# Altium PCB PA_8CH_CTRL.PcbDoc (part 1 of 10)
Units mm, origin at the board's own origin, x right, y up, seen from the top; angles counter-clockwise.
Board outline 390 x 110 mm, 4 copper layers (Component Side, Signal Layer 1, Power Plane, Solder Side), stack 1.604 mm thick; 833 components, 525 nets, 2536 pads, 1881 vias.
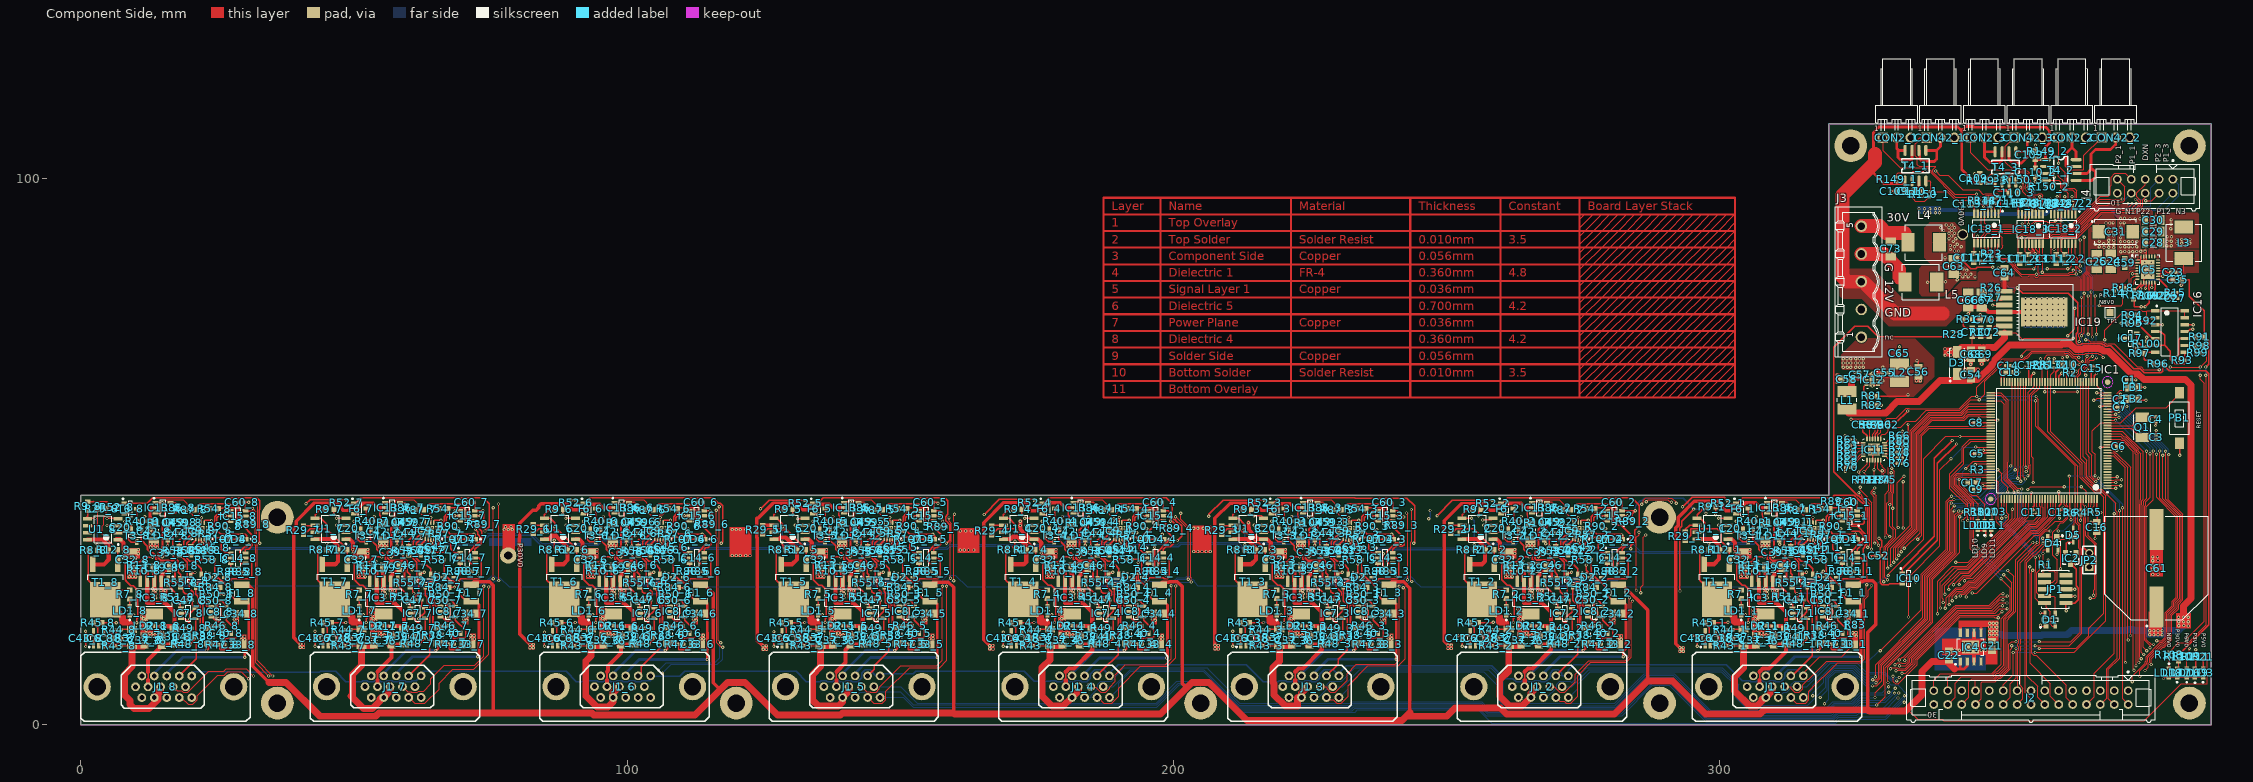
[diagram p0: Component Side view]
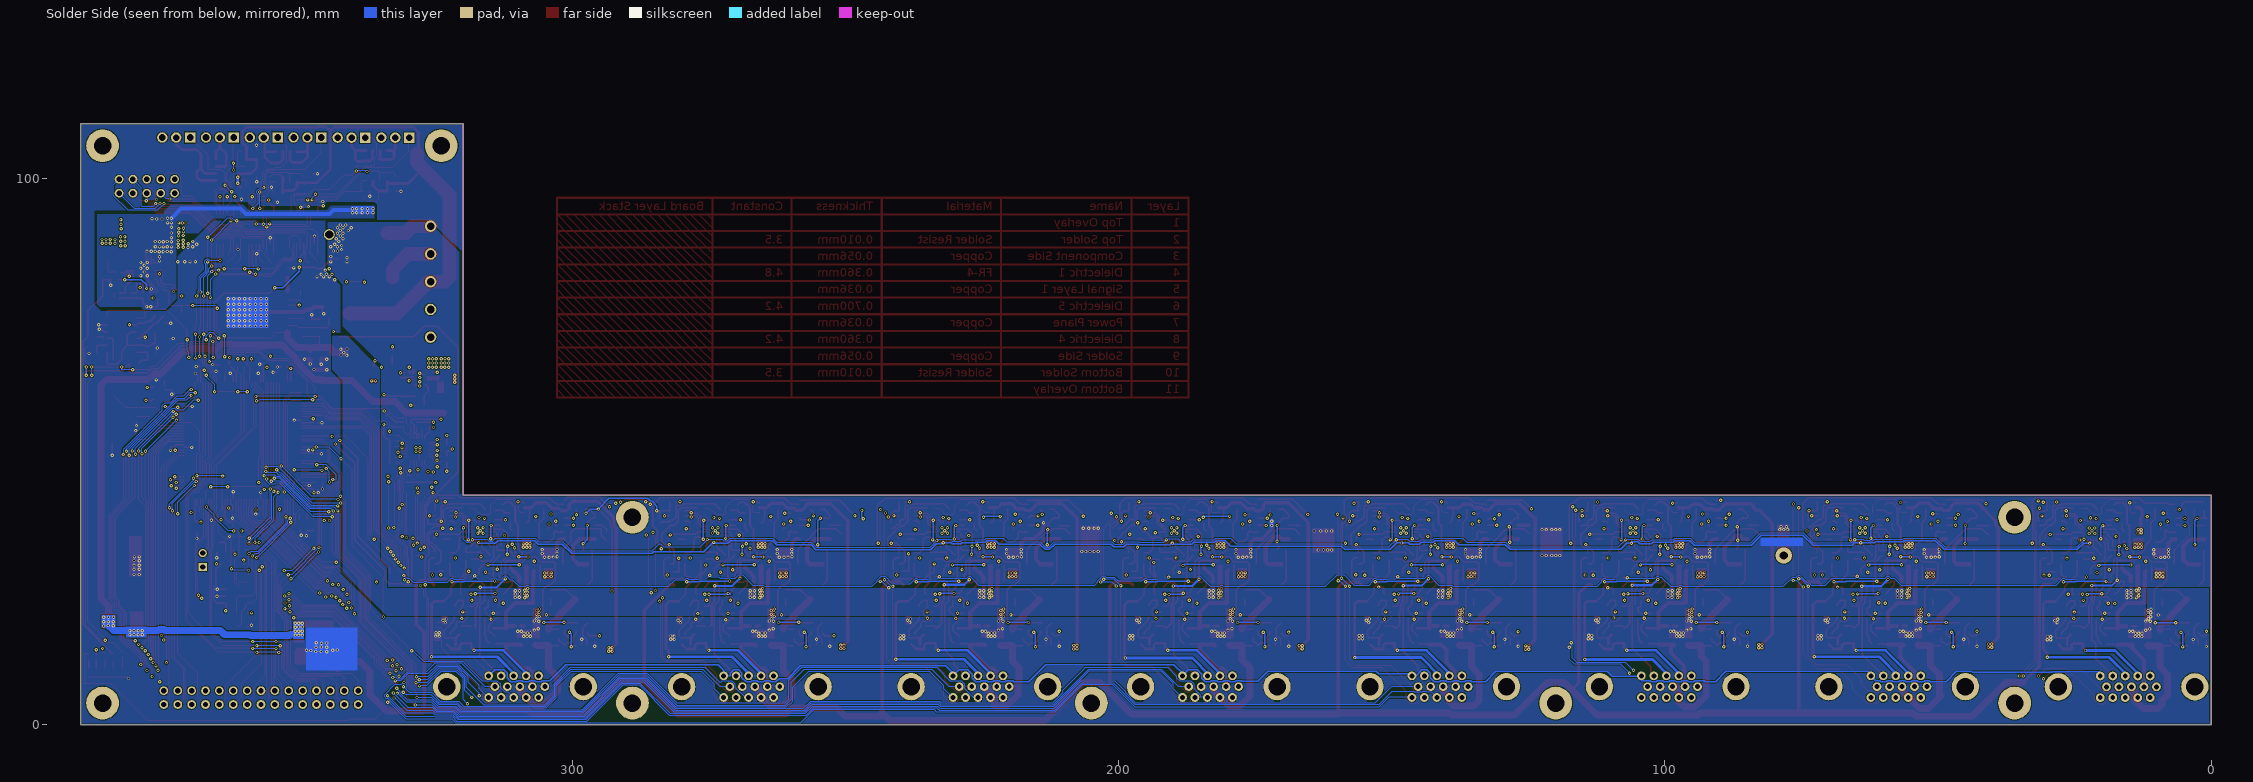
[diagram p1: Solder Side view, seen from below]
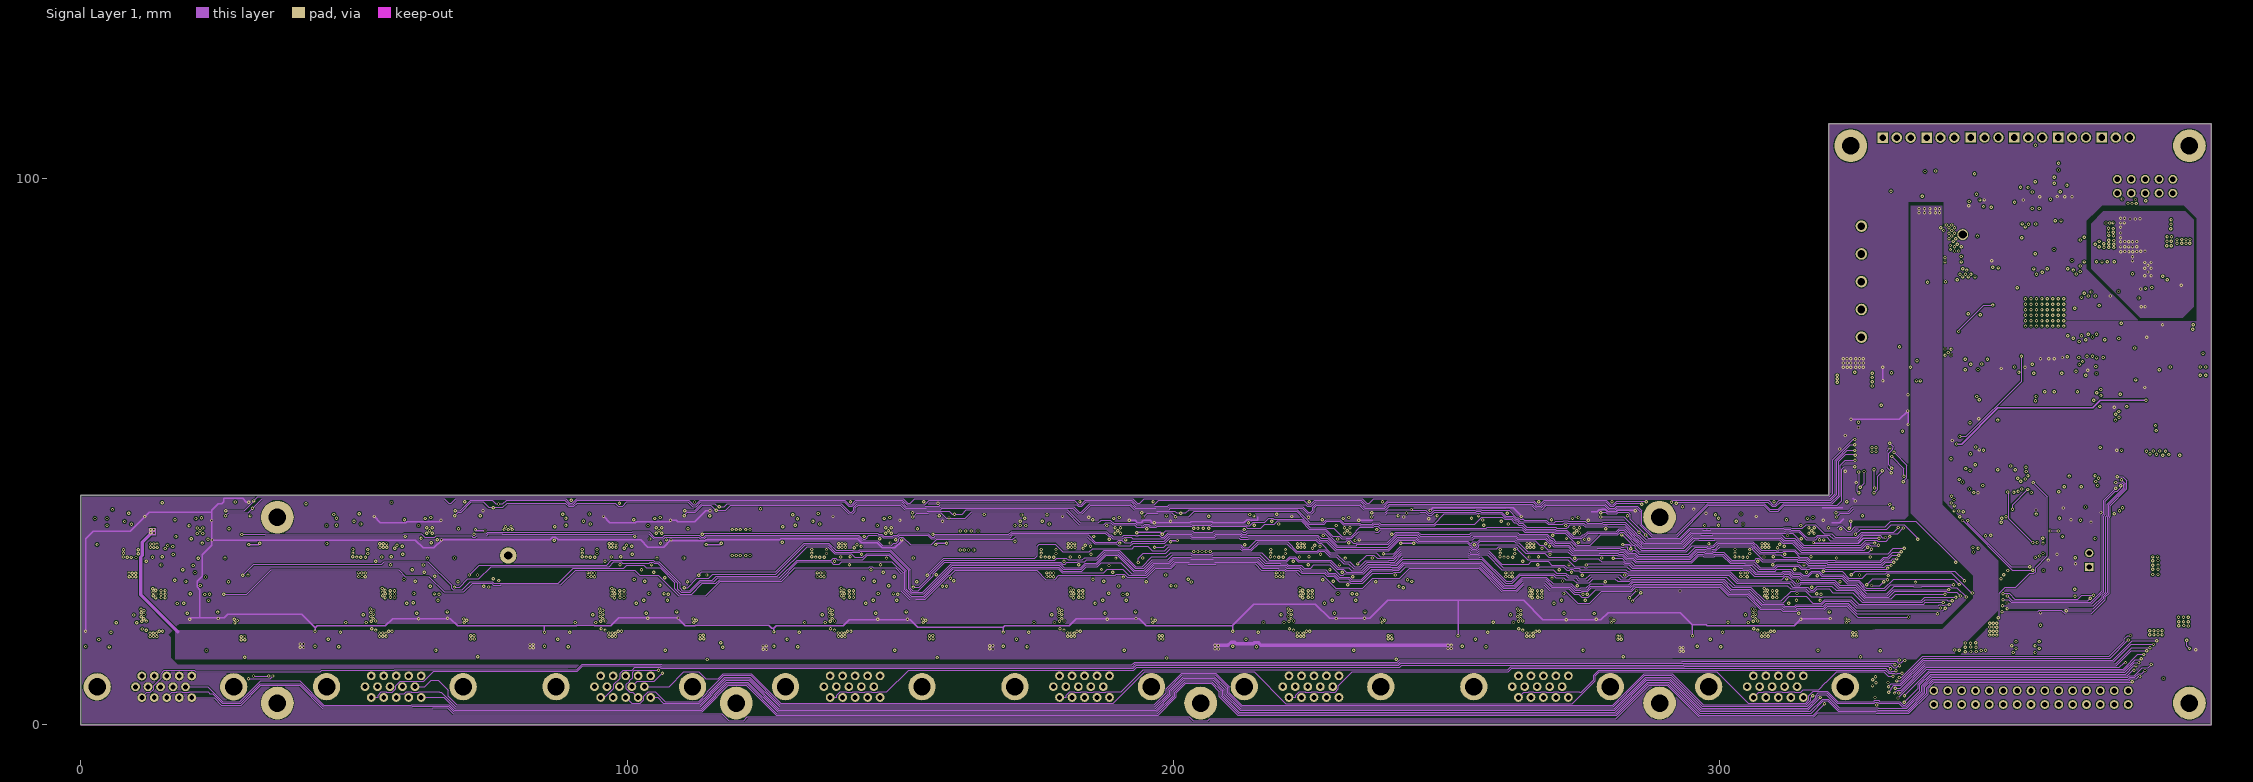
[diagram p2: Signal Layer 1]
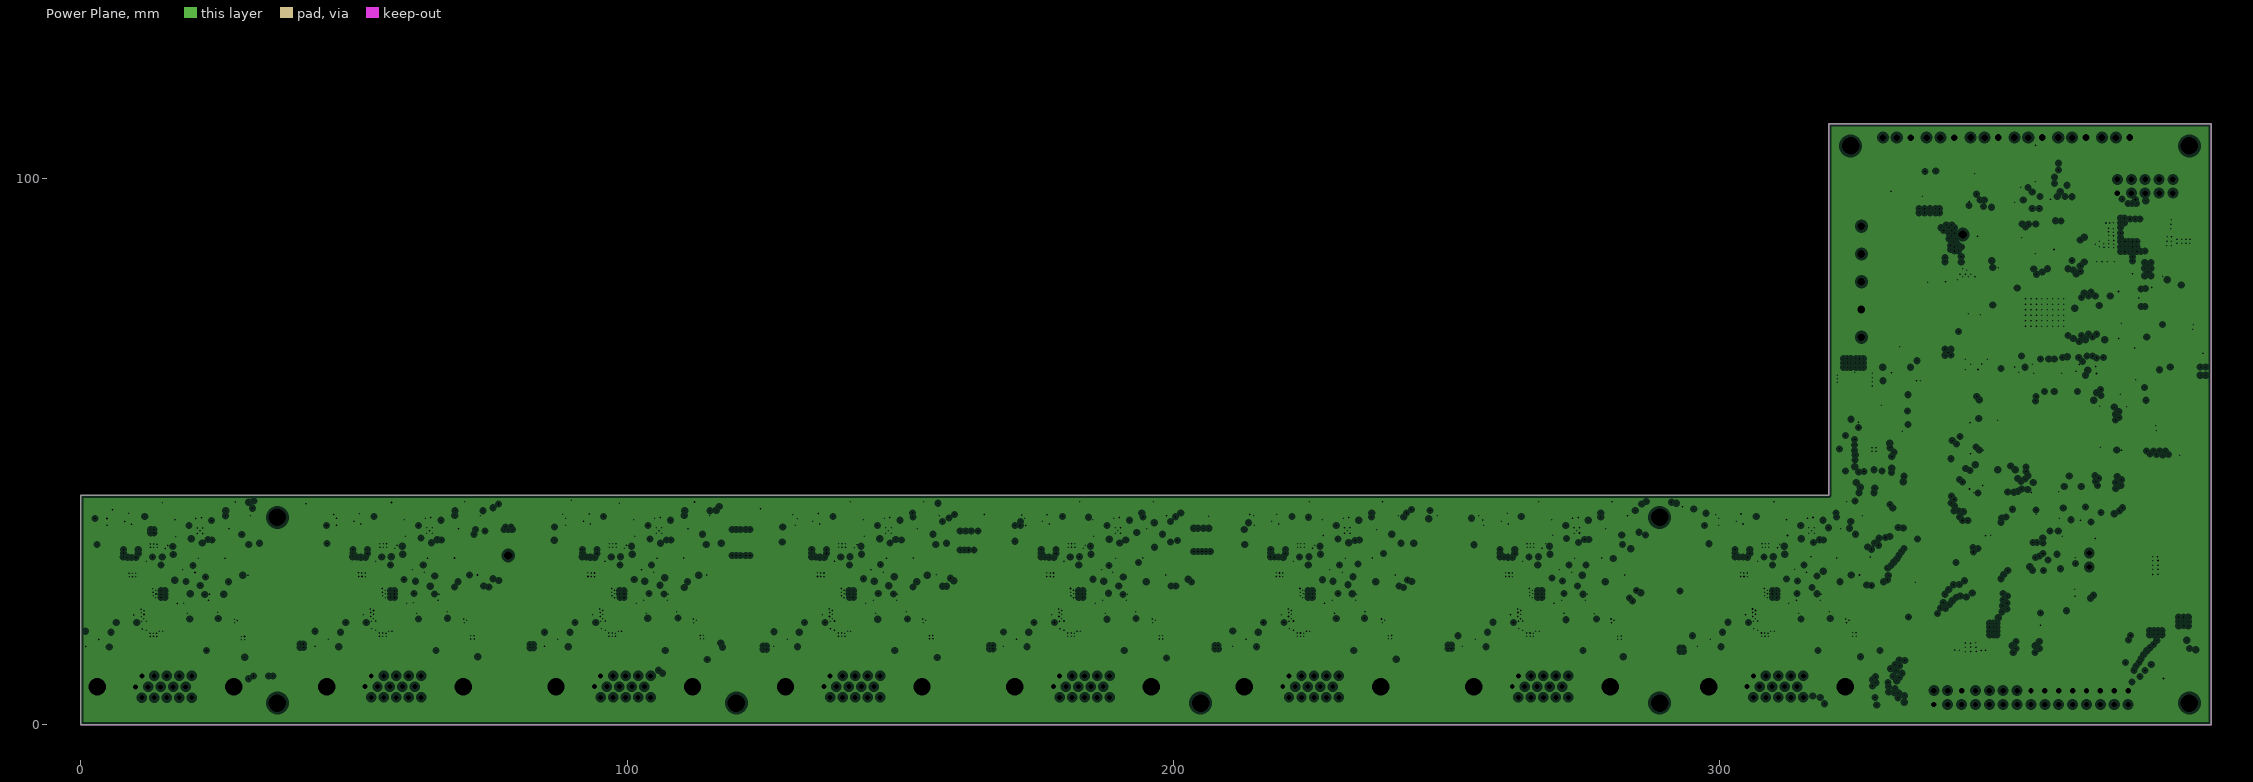
[diagram p3: Power Plane, clearances drawn from the general rule]
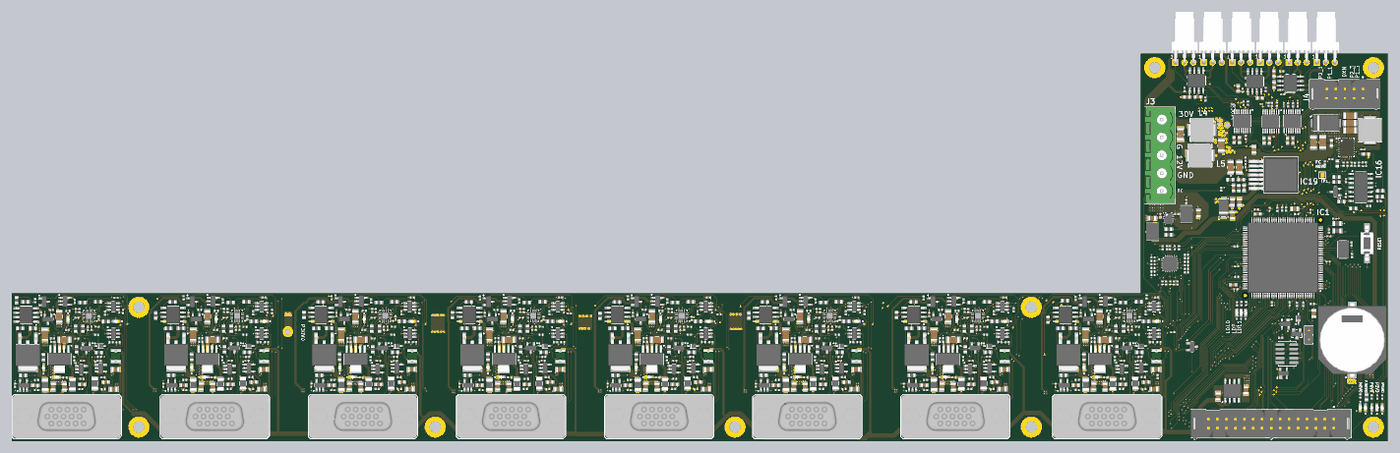
[diagram p13: 3D render of the assembled board from above, using the file's embedded part models]

## Layer stack, top to bottom
Top Solder: solder mask 0.01, Solder Resist, Dk 3.5
Component Side: signal copper 0.056
Dielectric 1: core 0.36, FR-4, Dk 4.8
Signal Layer 1: signal copper 0.036
Dielectric 5: prepreg 0.7, Dk 4.2
Power Plane: plane copper 0.036, net GND
Dielectric 4: core 0.36, Dk 4.2
Solder Side: signal copper 0.056
Bottom Solder: solder mask 0.0102, Solder Resist, Dk 3.5

## Board outline
0,0 0,42 320,42 320,110 390,110 390,0

## Design rules (kind name [scope] priority, off if disabled: settings)
Clearance [All] p1: gap=0.152 except(0.203: Track-Poly; 0.254: Poly-Poly)
HoleSize [All] p1: absolutevalues=TRUE maxlimit=5.08 minlimit=0.025 maxpercent=80.000 minpercent=20.000
HoleToHoleClearance [All] p1: gap=0.1 allowstackedmicrovias=TRUE
MinimumSolderMaskSliver [All] p1: minsoldermaskwidth=0.025
PlaneClearance [All] p1: clearance=0.508
PlaneConnect [All] p1: planeconnectstyle=Direct reliefexpansion=0.508 reliefentries=4 reliefconductorwidth=0.254 reliefairgap=0.254
PlaneConnect PlaneConnect_pad [IsPad] p2: planeconnectstyle=Relief reliefexpansion=0.203 reliefentries=4 reliefconductorwidth=0.152 reliefairgap=0.152
PolygonConnect PolygonConnect_pad [isPad] p1: connectstyle=Relief reliefconductorwidth=0.152 reliefentries=4 polygonreliefangle="90 Angle" airgapwidth=0.152
PolygonConnect [All] p2: connectstyle=Direct reliefconductorwidth=0.254 reliefentries=4 polygonreliefangle="45 Angle" airgapwidth=0.254
RoomDefinition U_TEMP_MGT1 [InComponentClass('U_TEMP_MGT1')] p1: confinementstyle=ConfineIn formatcopy=TRUE lockcomponents=FALSE outline 326.275,93.545 345.35,93.545 345.35,121.275 326.275,121.275
RoomDefinition U_TEMP_MGT2 [InComponentClass('U_TEMP_MGT2')] p2: confinementstyle=ConfineIn formatcopy=TRUE lockcomponents=FALSE outline 358.375,93.57 377.45,93.57 377.45,121.3 358.375,121.3
RoomDefinition U_TEMP_MGT3 [InComponentClass('U_TEMP_MGT3')] p3: confinementstyle=ConfineIn formatcopy=TRUE lockcomponents=FALSE outline 342.35,93.57 361.425,93.57 361.425,121.3 342.35,121.3
RoomDefinition U_CPU [InComponentClass('U_CPU')] p4: confinementstyle=ConfineIn formatcopy=TRUE lockcomponents=FALSE outline 377.675,4.702 377.675,66.702 329.54,66.702 329.54,4.702
RoomDefinition U_Power_Supply [InComponentClass('U_Power_Supply')] p5: confinementstyle=ConfineIn formatcopy=TRUE lockcomponents=FALSE outline 342.548,71.5 359.825,71.5 359.825,91.575 342.548,91.575
RoomDefinition U_PA_Channel8 [InComponentClass('U_PA_Channel8')] p6: confinementstyle=ConfineIn formatcopy=TRUE lockcomponents=FALSE outline 31.496,-0.029 31.496,41.5 0,41.5 0,-0.029
RoomDefinition U_PA_Channel7 [InComponentClass('U_PA_Channel7')] p7: confinementstyle=ConfineIn formatcopy=TRUE lockcomponents=FALSE outline 73.496,0 73.496,41.529 42,41.529 42,0
RoomDefinition U_PA_Channel6 [InComponentClass('U_PA_Channel6')] p8: confinementstyle=ConfineIn formatcopy=TRUE lockcomponents=FALSE outline 115.496,0 115.496,41.529 84,41.529 84,0
RoomDefinition U_PA_Channel5 [InComponentClass('U_PA_Channel5')] p9: confinementstyle=ConfineIn formatcopy=TRUE lockcomponents=FALSE outline 157.496,0 157.496,41.529 126,41.529 126,0
RoomDefinition U_PA_Channel4 [InComponentClass('U_PA_Channel4')] p10: confinementstyle=ConfineIn formatcopy=TRUE lockcomponents=FALSE outline 199.496,0 199.496,41.529 168,41.529 168,0
RoomDefinition U_PA_Channel3 [InComponentClass('U_PA_Channel3')] p11: confinementstyle=ConfineIn formatcopy=TRUE lockcomponents=FALSE outline 241.496,0 241.496,41.529 210,41.529 210,0
RoomDefinition U_PA_Channel2 [InComponentClass('U_PA_Channel2')] p12: confinementstyle=ConfineIn formatcopy=TRUE lockcomponents=FALSE outline 283.496,0 283.496,41.529 252,41.529 252,0
RoomDefinition U_PA_Channel1 [InComponentClass('U_PA_Channel1')] p13: confinementstyle=ConfineIn formatcopy=TRUE lockcomponents=FALSE outline 326.496,0 326.496,41.529 295,41.529 295,0
RoomDefinition PA_CTRL_TOP [InComponentClass('PA_CTRL_TOP')] p14: confinementstyle=ConfineIn formatcopy=TRUE lockcomponents=FALSE outline 158.989,42.976 194.593,42.976 194.593,54.914 158.989,54.914
RoutingVias [All] p1: holewidth=0.3 width=0.6 viastyle="Through Hole" minholewidth=0.2 minwidth=0.6 maxholewidth=1 maxwidth=2
SilkToSilkClearance [All] p1: silktosilkclearance=0
SilkToSolderMaskClearance [IsPad] p1: minsilkscreentomaskgap=0.025 clearancetoexposedcopper=TRUE
SolderMaskExpansion [All] p1: expansion=0.102
Width [All] p1: maxlimit=2.54 minlimit=0.152 preferedwidth=0.254
23 further rules are at their usual default settings.

## Classes and differential pairs
channel class TEMP_MGT: U_TEMP_MGT1 U_TEMP_MGT2 U_TEMP_MGT3
net class FAN: FANn OVERn PWM1_1 PWM1_2 PWM1_3 PWM2_1 PWM2_2 PWM2_3 TACH1_1 TACH1_2 TACH1_3 TACH2_1 TACH2_2 TACH2_3 THERMn
component class U_TEMP_MGT3: C109_3 C110_3 C111_3 C112_3 C113_3 CON2_3 CON42_3 IC18_3 R147_3 R148_3 R149_3 R150_3 T4_3
component class U_TEMP_MGT2: C109_2 C110_2 C111_2 C112_2 C113_2 CON2_2 CON42_2 IC18_2 R147_2 R148_2 R149_2 R150_2 T4_2
component class U_TEMP_MGT1: C109_1 C110_1 C111_1 C112_1 C113_1 CON2_1 CON42_1 IC18_1 R147_1 R148_1 R149_1 R150_1 T4_1
net class EN_PWR_CH[7..0]: EN_PWR_CH0 EN_PWR_CH1 EN_PWR_CH2 EN_PWR_CH3 EN_PWR_CH4 EN_PWR_CH5 EN_PWR_CH6 EN_PWR_CH7
component class PA_CTRL_TOP: C52 C53 C65 IC10 IC11 J2 J4 J? R22 R23 R24 R60 R61 R62 R63 R64 R65 R66 R67 R68 R69 R70 R71 R72 R73 R74 R75 R76 R77 R78 R79 R80
component class U_CPU: C1 C2 C3 C4 C5 C6 C7 C8 C9 C10 C11 C12 C13 C14 C15 C16 C17 C18 D1 D4 D5 FB1 FB2 IC1 IC2 JP1 JP2 LD9 LD10 LD11 PB1 Q1 R1 R2 R3 R4 R5 R6 R83 R101 R102 R103 R112 R113
component class U_PA_Channel1: C19_1 C20_1 C32_1 C33_1 C34_1 C36_1 C37_1 C38_1 C39_1 C40_1 C41_1 C42_1 C43_1 C44_1 C45_1 C46_1 C47_1 C48_1 C49_1 C50_1 C51_1 C60_1 D2_1 F1_1 IC3_1 IC6_1 IC7_1 IC8_1 IC9_1 IC13_1 IC14_1 IC15_1 J1_1 LD1_1 LD2_1 LD4_1 LD12_1 R7_1 R8_1 R9_1 R10_1 R11_1 R12_1 R13_1 R29_1 R37_1 R38_1 R39_1 R40_1 R43_1 R44_1 R45_1 R46_1 R47_1 R48_1 R49_1 R50_1 R51_1 R52_1 R53_1 R54_1 R55_1 R56_1 R57_1 R58_1 R59_1 R84_1 R85_1 R86_1 R87_1 R88_1 R89_1 R90_1 R104_1 R107_1 T1_1 T2_1 T3_1 T6_1 U1_1
component class U_PA_Channel2: C19_2 C20_2 C32_2 C33_2 C34_2 C36_2 C37_2 C38_2 C39_2 C40_2 C41_2 C42_2 C43_2 C44_2 C45_2 C46_2 C47_2 C48_2 C49_2 C50_2 C51_2 C60_2 D2_2 F1_2 IC3_2 IC6_2 IC7_2 IC8_2 IC9_2 IC13_2 IC14_2 IC15_2 J1_2 LD1_2 LD2_2 LD4_2 LD12_2 R7_2 R8_2 R9_2 R10_2 R11_2 R12_2 R13_2 R29_2 R37_2 R38_2 R39_2 R40_2 R43_2 R44_2 R45_2 R46_2 R47_2 R48_2 R49_2 R50_2 R51_2 R52_2 R53_2 R54_2 R55_2 R56_2 R57_2 R58_2 R59_2 R84_2 R85_2 R86_2 R87_2 R88_2 R89_2 R90_2 R104_2 R107_2 T1_2 T2_2 T3_2 T6_2 U1_2
component class U_PA_Channel3: C19_3 C20_3 C32_3 C33_3 C34_3 C36_3 C37_3 C38_3 C39_3 C40_3 C41_3 C42_3 C43_3 C44_3 C45_3 C46_3 C47_3 C48_3 C49_3 C50_3 C51_3 C60_3 D2_3 F1_3 IC3_3 IC6_3 IC7_3 IC8_3 IC9_3 IC13_3 IC14_3 IC15_3 J1_3 LD1_3 LD2_3 LD4_3 LD12_3 R7_3 R8_3 R9_3 R10_3 R11_3 R12_3 R13_3 R29_3 R37_3 R38_3 R39_3 R40_3 R43_3 R44_3 R45_3 R46_3 R47_3 R48_3 R49_3 R50_3 R51_3 R52_3 R53_3 R54_3 R55_3 R56_3 R57_3 R58_3 R59_3 R84_3 R85_3 R86_3 R87_3 R88_3 R89_3 R90_3 R104_3 R107_3 T1_3 T2_3 T3_3 T6_3 U1_3
component class U_PA_Channel4: C19_4 C20_4 C32_4 C33_4 C34_4 C36_4 C37_4 C38_4 C39_4 C40_4 C41_4 C42_4 C43_4 C44_4 C45_4 C46_4 C47_4 C48_4 C49_4 C50_4 C51_4 C60_4 D2_4 F1_4 IC3_4 IC6_4 IC7_4 IC8_4 IC9_4 IC13_4 IC14_4 IC15_4 J1_4 LD1_4 LD2_4 LD4_4 LD12_4 R7_4 R8_4 R9_4 R10_4 R11_4 R12_4 R13_4 R29_4 R37_4 R38_4 R39_4 R40_4 R43_4 R44_4 R45_4 R46_4 R47_4 R48_4 R49_4 R50_4 R51_4 R52_4 R53_4 R54_4 R55_4 R56_4 R57_4 R58_4 R59_4 R84_4 R85_4 R86_4 R87_4 R88_4 R89_4 R90_4 R104_4 R107_4 T1_4 T2_4 T3_4 T6_4 U1_4
component class U_PA_Channel5: C19_5 C20_5 C32_5 C33_5 C34_5 C36_5 C37_5 C38_5 C39_5 C40_5 C41_5 C42_5 C43_5 C44_5 C45_5 C46_5 C47_5 C48_5 C49_5 C50_5 C51_5 C60_5 D2_5 F1_5 IC3_5 IC6_5 IC7_5 IC8_5 IC9_5 IC13_5 IC14_5 IC15_5 J1_5 LD1_5 LD2_5 LD4_5 LD12_5 R7_5 R8_5 R9_5 R10_5 R11_5 R12_5 R13_5 R29_5 R37_5 R38_5 R39_5 R40_5 R43_5 R44_5 R45_5 R46_5 R47_5 R48_5 R49_5 R50_5 R51_5 R52_5 R53_5 R54_5 R55_5 R56_5 R57_5 R58_5 R59_5 R84_5 R85_5 R86_5 R87_5 R88_5 R89_5 R90_5 R104_5 R107_5 T1_5 T2_5 T3_5 T6_5 U1_5
component class U_PA_Channel6: C19_6 C20_6 C32_6 C33_6 C34_6 C36_6 C37_6 C38_6 C39_6 C40_6 C41_6 C42_6 C43_6 C44_6 C45_6 C46_6 C47_6 C48_6 C49_6 C50_6 C51_6 C60_6 D2_6 F1_6 IC3_6 IC6_6 IC7_6 IC8_6 IC9_6 IC13_6 IC14_6 IC15_6 J1_6 LD1_6 LD2_6 LD4_6 LD12_6 R7_6 R8_6 R9_6 R10_6 R11_6 R12_6 R13_6 R29_6 R37_6 R38_6 R39_6 R40_6 R43_6 R44_6 R45_6 R46_6 R47_6 R48_6 R49_6 R50_6 R51_6 R52_6 R53_6 R54_6 R55_6 R56_6 R57_6 R58_6 R59_6 R84_6 R85_6 R86_6 R87_6 R88_6 R89_6 R90_6 R104_6 R107_6 T1_6 T2_6 T3_6 T6_6 U1_6
component class U_PA_Channel7: C19_7 C20_7 C32_7 C33_7 C34_7 C36_7 C37_7 C38_7 C39_7 C40_7 C41_7 C42_7 C43_7 C44_7 C45_7 C46_7 C47_7 C48_7 C49_7 C50_7 C51_7 C60_7 D2_7 F1_7 IC3_7 IC6_7 IC7_7 IC8_7 IC9_7 IC13_7 IC14_7 IC15_7 J1_7 LD1_7 LD2_7 LD4_7 LD12_7 R7_7 R8_7 R9_7 R10_7 R11_7 R12_7 R13_7 R29_7 R37_7 R38_7 R39_7 R40_7 R43_7 R44_7 R45_7 R46_7 R47_7 R48_7 R49_7 R50_7 R51_7 R52_7 R53_7 R54_7 R55_7 R56_7 R57_7 R58_7 R59_7 R84_7 R85_7 R86_7 R87_7 R88_7 R89_7 R90_7 R104_7 R107_7 T1_7 T2_7 T3_7 T6_7 U1_7
component class U_PA_Channel8: C19_8 C20_8 C32_8 C33_8 C34_8 C36_8 C37_8 C38_8 C39_8 C40_8 C41_8 C42_8 C43_8 C44_8 C45_8 C46_8 C47_8 C48_8 C49_8 C50_8 C51_8 C60_8 D2_8 F1_8 IC3_8 IC6_8 IC7_8 IC8_8 IC9_8 IC13_8 IC14_8 IC15_8 J1_8 LD1_8 LD2_8 LD4_8 LD12_8 R7_8 R8_8 R9_8 R10_8 R11_8 R12_8 R13_8 R29_8 R37_8 R38_8 R39_8 R40_8 R43_8 R44_8 R45_8 R46_8 R47_8 R48_8 R49_8 R50_8 R51_8 R52_8 R53_8 R54_8 R55_8 R56_8 R57_8 R58_8 R59_8 R84_8 R85_8 R86_8 R87_8 R88_8 R89_8 R90_8 R104_8 R107_8 T1_8 T2_8 T3_8 T6_8 U1_8
net class ADC_IN[15..0]: ADC_IN0 ADC_IN1 ADC_IN2 ADC_IN3 ADC_IN4 ADC_IN5 ADC_IN6 ADC_IN7 ADC_IN8 ADC_IN9 ADC_IN10 ADC_IN11 ADC_IN12 ADC_IN13 ADC_IN14 ADC_IN15
net class ALERTN_CH[7..0]: ALERTN_CH0 ALERTN_CH1 ALERTN_CH2 ALERTN_CH3 ALERTN_CH4 ALERTN_CH5 ALERTN_CH6 ALERTN_CH7
net class PWR_CH_OVL[7..0]: PWR_CH_OVL0 PWR_CH_OVL1 PWR_CH_OVL2 PWR_CH_OVL3 PWR_CH_OVL4 PWR_CH_OVL5 PWR_CH_OVL6 PWR_CH_OVL7
net class SIG_ON_CH[7..0]: SIG_ON_CH0 SIG_ON_CH1 SIG_ON_CH2 SIG_ON_CH3 SIG_ON_CH4 SIG_ON_CH5 SIG_ON_CH6 SIG_ON_CH7
channel class PA_Channel: U_PA_Channel1 U_PA_Channel2 U_PA_Channel3 U_PA_Channel4 U_PA_Channel5 U_PA_Channel6 U_PA_Channel7 U_PA_Channel8
component class U_Power_Supply: C21 C22 C23 C24 C25 C26 C27 C28 C29 C30 C31 C35 C54 C55 C56 C57 C58 C59 C61 C62 C63 C64 C66 C67 C68 C69 C70 C71 C72 C73 D3 IC4 IC5 IC12 IC16 IC17 IC19 J3 L1 L2 L3 L4 L5 LD3 LD16 LD17 LD18 LD19 R14 R15 R16 R17 R18 R19 R20 R21 R25 R26 R27 R28 R30 R31 R81 R82 R91 R92 R93 R94 R95 R96 R97 R98 R99 R100 R108 R109 R110 R111 TP1
net class USER_IO[7..0]: USER_IO0 USER_IO1 USER_IO2 USER_IO3 USER_IO4 USER_IO5 USER_IO6 USER_IO7

## Components (designator, comment, footprint, x,y, rotation, side; value= is the part's Value field where it differs from the comment)
C1 "100nF" CAPC1005X55N 374.98,63.144 r0 top
C2 "100nF" CAPC1005X55N 373.355,59.563 r90 top
C3 "12pF" CAPC1005X55N 379.908,52.654 r90 top
C4 "12pF" CAPC1005X55N 379.806,55.956 r270 top
C5 "100nF" CAPC1005X55N 347.167,49.632 r180 top
C6 "100nF" CAPC1005X55N 373.101,51.029 r0 top
C7 "100nF" CAPC1005X55N 373.329,58.166 r0 top
C8 "100nF" CAPC1005X55N 347.015,55.296 r180 top
C9 "100nF" CAPC1005X55N 346.989,43.155 r180 top
C10 "10uF" CAPC2012X135N 363.677,65.964 r0 top
C11 "100nF" CAPC1005X55N 357.2,38.938 r270 top
C12 "100nF" CAPC1005X55N 356.565,65.811 r90 top
C13 "100nF" CAPC1005X55N 362.204,38.938 r270 top
C14 "100nF" CAPC1005X55N 352.831,65.761 r0 top
C15 "100nF" CAPC1005X55N 368.122,65.253 r90 top
C16 "10uF" CAPC2012X135N 369.062,36.22 r270 top
C17 "2.2uF" CAPC1608X90N 346.227,44.348 r0 top
C18 "2.2uF" CAPC1608X90N 353.162,64.516 r180 top
C19_1 "10uF" CAPC3216X140N 309.86,28.806 r0 top (schematic designator C19)
C19_2 "10uF" CAPC3216X140N 266.86,28.806 r0 top (schematic designator C19)
C19_3 "10uF" CAPC3216X140N 224.86,28.806 r0 top (schematic designator C19)
C19_4 "10uF" CAPC3216X140N 182.86,28.806 r0 top (schematic designator C19)
C19_5 "10uF" CAPC3216X140N 140.86,28.806 r0 top (schematic designator C19)
C19_6 "10uF" CAPC3216X140N 98.86,28.806 r0 top (schematic designator C19)
C19_7 "10uF" CAPC3216X140N 56.86,28.806 r0 top (schematic designator C19)
C19_8 "10uF" CAPC3216X140N 14.86,28.777 r0 top (schematic designator C19)
C20_1 "3.3nF" CAPC1005X55N 303.026,36.021 r270 top (schematic designator C20)
C20_2 "3.3nF" CAPC1005X55N 260.026,36.021 r270 top (schematic designator C20)
C20_3 "3.3nF" CAPC1005X55N 218.026,36.021 r270 top (schematic designator C20)
C20_4 "3.3nF" CAPC1005X55N 176.026,36.021 r270 top (schematic designator C20)
C20_5 "3.3nF" CAPC1005X55N 134.026,36.021 r270 top (schematic designator C20)
C20_6 "3.3nF" CAPC1005X55N 92.026,36.021 r270 top (schematic designator C20)
C20_7 "3.3nF" CAPC1005X55N 50.026,36.021 r270 top (schematic designator C20)
C20_8 "3.3nF" CAPC1005X55N 8.306,36.17 r270 top (schematic designator C20)
C21 "1uF" CAPC2012X140N 349.86,14.453 r90 top
C22 "1uF" CAPC2012X140N 341.96,12.725 r270 top
C23 "100nF" CAPC1005X55N 383.05,82.85 r0 top
C24 "10uF" CAPC3216X190N 371.598,84.851 r270 top
C25 "10uF" CAPC3216X190N 369.008,84.801 r270 top
C26 "22pF" CAPC1005X55N 381.885,78.578 r90 top
C27 "1nF" CAPC1005X55N 383.45,78.1 r0 top
C28 "47uF" CAPC3216X180N 379.371,88.255 r180 top
C29 "47uF" CAPC3216X180N 379.345,90.312 r180 top
C30 "47uF" CAPC3216X180N 379.371,92.395 r180 top
C31 "150uF" CAPMP7343X310N 372.513,90.287 r0 top
C32_1 "4.7uF" CAPC3216X180N 304.385,30.256 r90 top (schematic designator C32)
C32_2 "4.7uF" CAPC3216X180N 261.385,30.256 r90 top (schematic designator C32)
C32_3 "4.7uF" CAPC3216X180N 219.385,30.256 r90 top (schematic designator C32)
C32_4 "4.7uF" CAPC3216X180N 177.385,30.256 r90 top (schematic designator C32)
C32_5 "4.7uF" CAPC3216X180N 135.385,30.256 r90 top (schematic designator C32)
C32_6 "4.7uF" CAPC3216X180N 93.385,30.256 r90 top (schematic designator C32)
C32_7 "4.7uF" CAPC3216X180N 51.385,30.256 r90 top (schematic designator C32)
C32_8 "4.7uF" CAPC3216X180N 9.385,30.227 r90 top (schematic designator C32)
C33_1 "1uF" CAPC2012X110N 323.829,14.732 r180 top (schematic designator C33)
C33_2 "1uF" CAPC2012X110N 280.829,14.732 r180 top (schematic designator C33)
C33_3 "1uF" CAPC2012X110N 238.829,14.732 r180 top (schematic designator C33)
C33_4 "1uF" CAPC2012X110N 196.829,14.732 r180 top (schematic designator C33)
C33_5 "1uF" CAPC2012X110N 154.829,14.732 r180 top (schematic designator C33)
C33_6 "1uF" CAPC2012X110N 112.829,14.732 r180 top (schematic designator C33)
C33_7 "1uF" CAPC2012X110N 70.829,14.732 r180 top (schematic designator C33)
C33_8 "1uF" CAPC2012X110N 28.829,14.703 r180 top (schematic designator C33)
C34_1 "1uF" CAPC2012X110N 324.337,20.374 r0 top (schematic designator C34)
C34_2 "1uF" CAPC2012X110N 281.337,20.374 r0 top (schematic designator C34)
C34_3 "1uF" CAPC2012X110N 239.337,20.374 r0 top (schematic designator C34)
C34_4 "1uF" CAPC2012X110N 197.337,20.374 r0 top (schematic designator C34)
C34_5 "1uF" CAPC2012X110N 155.337,20.374 r0 top (schematic designator C34)
C34_6 "1uF" CAPC2012X110N 113.337,20.374 r0 top (schematic designator C34)
C34_7 "1uF" CAPC2012X110N 71.337,20.374 r0 top (schematic designator C34)
C34_8 "1uF" CAPC2012X110N 29.337,20.345 r0 top (schematic designator C34)
C35 "2.2uF" CAPC1608X87N 383.841,81.524 r180 top
C36_1 "1uF" CAPC2012X110N 309.91,15.421 r270 top (schematic designator C36)
C36_2 "1uF" CAPC2012X110N 266.91,15.421 r270 top (schematic designator C36)
C36_3 "1uF" CAPC2012X110N 224.91,15.421 r270 top (schematic designator C36)
C36_4 "1uF" CAPC2012X110N 182.91,15.421 r270 top (schematic designator C36)
C36_5 "1uF" CAPC2012X110N 140.91,15.421 r270 top (schematic designator C36)
C36_6 "1uF" CAPC2012X110N 98.91,15.421 r270 top (schematic designator C36)
C36_7 "1uF" CAPC2012X110N 56.91,15.421 r270 top (schematic designator C36)
C36_8 "1uF" CAPC2012X110N 14.91,15.392 r270 top (schematic designator C36)
C37_1 "1uF" CAPC2012X110N 306.684,15.494 r270 top (schematic designator C37)
C37_2 "1uF" CAPC2012X110N 263.684,15.494 r270 top (schematic designator C37)